# KiCad board panelized.kicad_pro.kicad_pcb (continued)
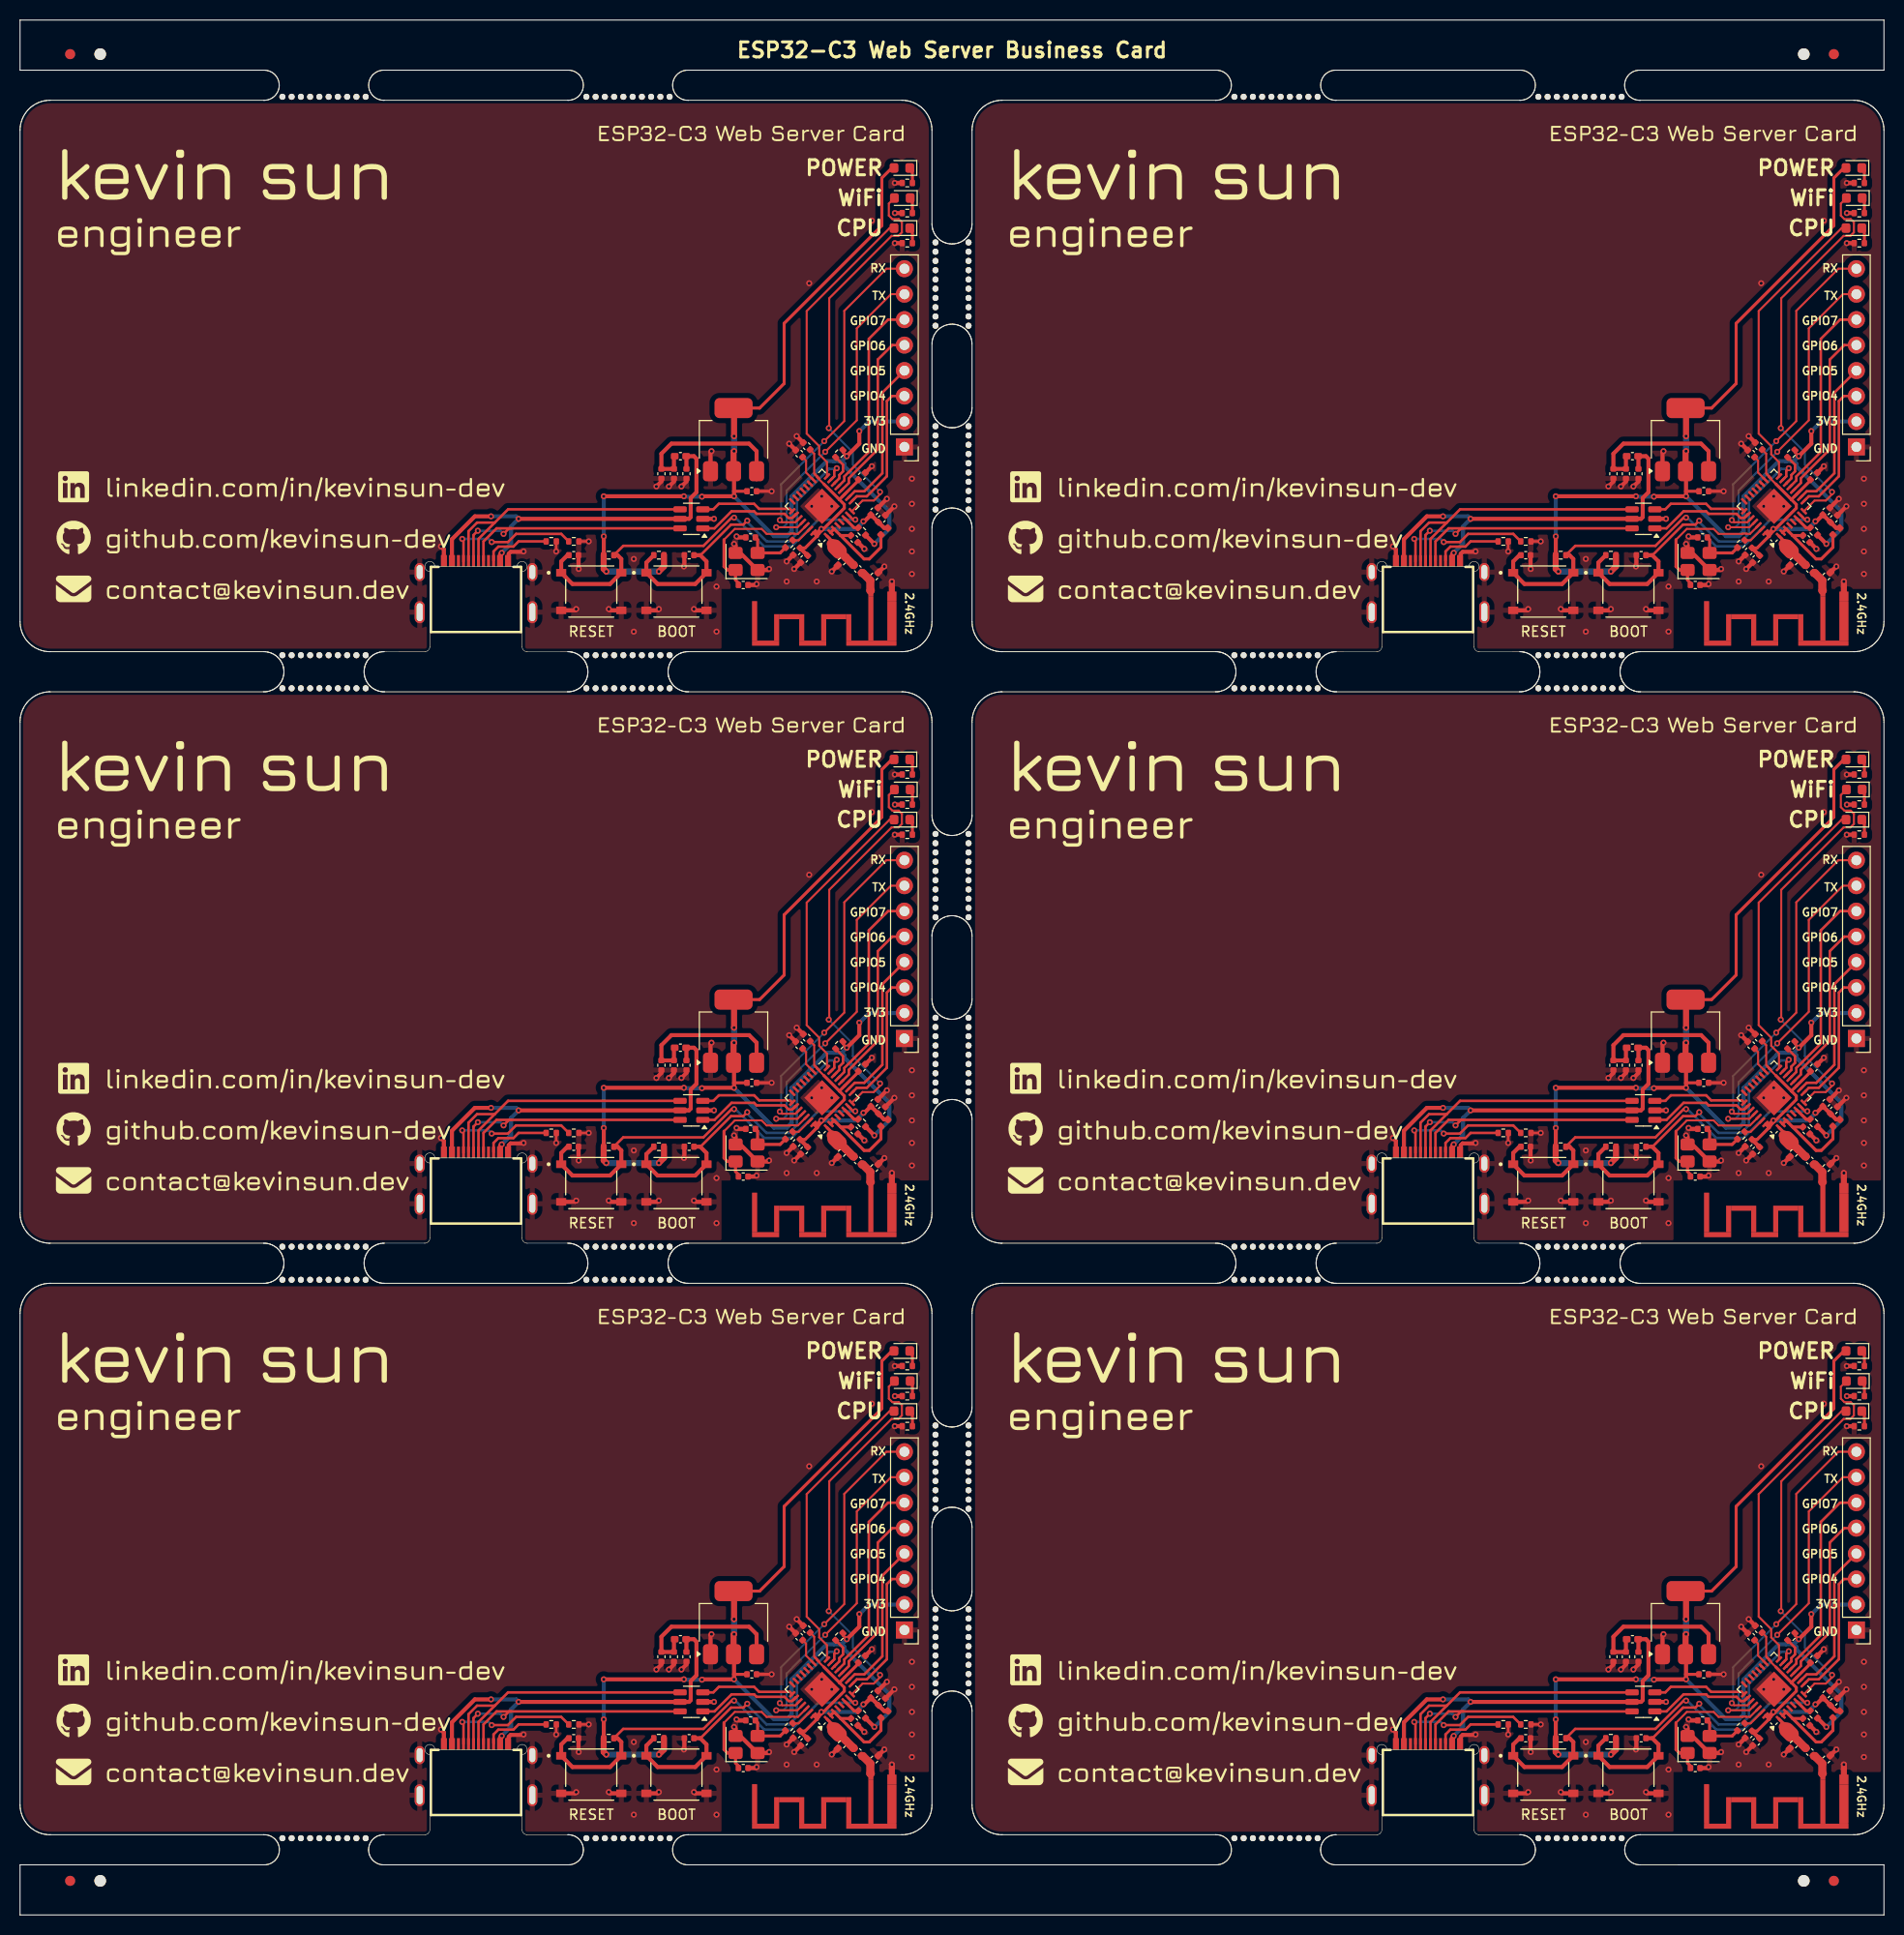
[diagram p0: board, top side]
## Routing (per net, layer and track width the routed paths; a pad name or vN(x,y) marks a point on that pad's centre or on a via; arc(x,y) is an arc through that point) (continued)
  Top w0.25: U3#4.4 48.7,81.2 47.38,79.88 ; 47.38,79.88 45.61,79.88 44.75,79.02 J1.B7 ; 47.38,79.88 45.75,78.25 J1.A7
Board_2-Net-(J1-DP1): length 29
  Top w0.25: J1.A6 45.25,78.64 v1(45.68,79.07) ; 49,79.3 48.8,79.3 v1(48.25,78.75) ; 49,79.3 47.55,79.3 46.25,78 J1.B6 ; 49,79.3 U3#4.6
  Bottom w0.25: v1(48.25,78.75) 47.93,79.07 v1(45.68,79.07)
Board_2-Net-(U4-VI): length 16.7
  Top w0.4: 73.5,84.21 73.54,84.25 ; 73.75,85.25 U4#5.3 73.5,87 72.75,87.75 65,87.75 64,86.75 C15#2.1 C14#6.1 65.25,86.42 L3#3.2
Board_2-unconnected-(U1-SPIHD-Pad19): length 0.1
  Top w0.2: U1.19 78.73,83.77
Board_3-+3.3V: length 26.4
  Top w0.2: C6#6.1 174.25,86.75 174.25,84.76 U1#2.17 174.54,84.4 175.22,83.72
  Top w0.3: 176.77,82.17 177.25,81.69 177.25,81.32 174.54,78.61 U1#2.32 ; 176.77,82.17 176.77,82.19 U1#2.11 178.66,84.08 C5#5.1 ; 176.77,82.17 175.22,83.72 ; C7#6.1 173.34,77.34 U1#2.32 ; U1#2.32 U1#2.31
  Top w0.4: v1(179.16,80) 179.25,80 C3.1 C2.1 181.23,79.34 L1#4.1 ; v1(174.96,79.24) 174.54,78.82 U1#2.32 ; C8#4.1 C7#6.1
  Bottom w0.4: v1(179.16,80) 179.05,79.9 179.05,79.87 178.42,79.24 v1(174.96,79.24)
Board_3-+3V3: length 109.2
  Top w0.25: v1(177.5,86.5) 177.11,86.89 R6#2.2
  Top w0.3: D1#6.2 182,115.25 181,114.25 181,109.5 171.25,99.75 171.25,93.75 168.8,91.3 U4#3.2 ; C16#6.1 166.25,83
  Top w0.4: U4#3.2 166.25,84.95 v1(166.25,82.5) 163.09,82.5 v1(163.05,82.46) ; v1(178.75,89) 178.75,87.75 v1(177.5,86.5) ; R7#4.2 v1(180.25,77.75) ; v1(161.25,82.5) v1(153.25,82.5) ; R3#5.1 153.25,76.64 v1(153.25,78.5)
  Top w0.6: U4#3.2 166.2,86.95 v1(166.25,87) ; v1(153.5,75) 153.24,75.26 R3#5.1 ; R4#4.1 159.26,75.51 v1(158.75,75) ; v1(166.25,88.5) 166.25,91.25 U4#3.2
  Bottom w0.25: 177.12,86.13 177.12,85.88
  Bottom w0.4: J2#4.2 179.73,89.96 178.77,89 v1(178.75,89) ; v1(177.5,86.5) 177.12,86.13 ; v1(161.25,82.5) 161.29,82.46 v1(163.05,82.46) ; v1(153.25,82.5) v1(153.25,78.5) ; v1(180.25,77.75) 181.75,79.25 181.75,81 177.25,85.5 177.25,85.75 177,86 176.79,86 176.79,86 176.21,86 176.21,86 175.5,86 172,82.5 172,79 171.53,78.53 170.22,78.53 v1(166.25,82.5)
  Bottom w0.6: v1(153.5,75) v1(158.75,75) ; v1(166.25,87) v1(166.25,88.5)
Board_3-/BOOTSEL: length 34.6
  Top w0.25: U1#2.15 176.25,84.5 176.25,85.06 v1(176.5,85.3) ; v1(167.57,80.07) 167.18,79.68 165.95,79.68 162.9,76.63 C18#6.1
  Top w0.4: R4#4.2 157.5,75.89 BOOT#5.1 158.62,73.75 162.38,73.75 BOOT#5.1 163.5,76 162.88,76.63 C18#6.1
  Bottom w0.25: v1(167.57,80.07) 167.57,79.94 169.5,78 171.74,78 172.53,78.79 172.53,82.03 175.73,85.24 176.43,85.24 v1(176.5,85.3)
Board_3-/CHIP_EN: length 40.2
  Top w0.25: U1#2.7 178.14,80.16 v1(178.35,80.16) ; v1(166.25,80.37) 166.01,80.37 163.19,77.56 155.19,77.56 R3#5.2
  Top w0.4: R3#5.2 154.62,76.63 155,76.25 RESET#6.1 153.88,73.75 150.12,73.75 RESET#6.1 149,76 149.62,76.63 C17#4.1
  Bottom w0.25: v1(178.35,80.16) 174.66,80.16 172,77.5 169.25,77.5 166.38,80.37 v1(166.25,80.37)
Board_3-/GP2: length 1.7
  Top w0.3: R7#4.1 178.24,79.36 U1#2.6
Board_3-/GP8: length 3.3
  Top w0.25: R6#2.1 177.13,85.65 177.13,84.99 176.76,84.62 176.76,84.3 U1#2.14 176.27,83.77
Board_3-/LED_A: length 39.8
  Top w0.2: D2#5.2 181.7,111.7 181.7,110.5 182.05,110.15 182.69,110.15 183,109.84 183,108.82 182.65,108.48 181.97,108.48 175.75,102.25 175.75,89.35 v1(175.7,89.3) ; U1#2.8 178.01,81.01 179.07,82.08 180.19,82.08 180.82,82.7 v1(180.82,82.94)
  Bottom w0.2: v1(180.82,82.94) 178.1,85.65 178.1,86.9 v1(175.7,89.3)
Board_3-/LED_B: length 29.5
  Top w0.2: U1#2.16 175.53,85.91 174.75,86.69 174.75,87.5 173.5,88.75 173.5,100.98 181.78,109.25 D3.2
Board_3-/LNA_IN: length 4
  Top w0.3: U1#2.1 176,78.06 176,77.75
  Top w0.8: L2#5.1 178.15,75.66 C12#2.1 176.8,77
  Top w1: 176.3,77.45 176,77.75
  Top w1.5: 176.3,77.45 176.75,77
Board_3-/MTCK: length 17.8
  Top w0.25: U1#2.12 177.71,83.83 177.71,84.3 180.6,87.19 180.6,96.14 182.04,97.58 J2#4.5
Board_3-/MTDI: length 15.6
  Top w0.25: J2#4.4 181.05,92.84 181.05,84.8 179.25,83 178.29,83 U1#2.10
Board_3-/MTDO: length 20.4
  Top w0.25: J2#4.6 181.62,100.12 179.7,98.2 179.7,86.93 177.26,84.48 177.26,84.09 U1#2.13
Board_3-/MTMS: length 14
  Top w0.25: U1#2.9 178.5,82.5 179.5,82.5 181.5,84.5 181.5,92 182,92.5 J2#4.3
Board_3-/U0RXD: length 33.7
  Top w0.2: U1#2.27 172.38,79.91 171.03,79.91 v1(170.82,80.13) ; J2#4.8 181.45,105.2 177.25,101 177.25,90 v1(175.25,88)
  Bottom w0.2: v1(175.25,88) 170.94,83.69 170.94,80 v1(170.82,80.13)
Board_3-/U0TXD: length 32.6
  Top w0.2: v1(170.46,79.41) 172.58,79.41 U1#2.28 ; J2#4.7 181.91,102.66 178.5,99.25 178.5,90.09 v1(175.35,86.94)
  Bottom w0.2: v1(170.46,79.41) 171.16,79.41 171.5,79.75 171.5,83.09 v1(175.35,86.94)
Board_3-/USB_DN: length 9.5
  Top w0.25: U3#5.3 164.19,81.2 164.74,81.75 168.25,81.75 168.75,81.25 171.82,81.25 U1#2.25
Board_3-/USB_DP: length 10.4
  Top w0.25: U1#2.26 172.38,80.69 172.03,80.34 171.71,80.34 171.29,80.75 168.5,80.75 168.25,81 166,81 164.3,79.3 U3#5.1
Board_3-/XTAL_N: length 14.8
  Top w0.2: U1#2.29 172.63,78.75 172.28,78.75 172.25,78.78 171.9,78.78 171.87,78.75 169.5,78.75 169,79.25 166.33,79.25 165.25,78.17
  Top w0.3: C9#2.1 166.69,73.86 166.4,74.15 Y1#2.1 165.6,75.15 165.25,75.5 165.25,78.17
Board_3-/XTAL_P: length 2.2
  Top w0.2: R5#5.1 172.7,78.11 U1#2.30
Board_3-GND: length 42
  Top w0.25: v1(148.5,77) 148.5,77.98 R1#2.1 ; v1(151.75,78) R2#2.2
  Top w0.3: C16#6.2 v1(170,83)
  Top w0.4: C18#6.2 161.29,75.54 v1(161.25,75.5) ; v1(161,83.48) 161.5,83.98 C13#6.2 ; C8#4.2 v1(172.25,75.25) ; v1(137,77.5) 137.3,77.2 J1#3.A1B12 ; C15.2 159,83.98 v1(158.5,83.48) ; BOOT#5.2 158.62,71.13 v1(158.75,71.25) ; C5#5.2 v1(180,85.5) ; U4#3.1 163.9,86.9 v1(164,87) ; v1(150.5,71.25) 150.38,71.13 RESET#6.2 ; C2.2 v1(182.25,81.5) ; R10#3.2 v1(182.29,107.75) ; v1(162.25,71.25) 162.38,71.13 BOOT#5.2 ; C4.2 v1(171.75,87.75) ; v1(150.75,75.25) 150.73,75.27 C17#4.2 ; U3#5.2 v1(164.25,80.25) ; C1#5.2 v1(179.25,77.25) ; v1(153.75,71.25) 153.88,71.13 RESET#6.2 ; R8.2 v1(182.29,113.75) ; C9#2.2 168.4,73.65 v1(168.5,73.75) ; C14#3.2 160.25,83.98 v1(159.75,83.48) ; C7#6.2 v1(171.5,76) ; v1(169.75,75.25) 169.65,75.15 Y1#2.2 168.57,75.15 166.87,76.85 Y1#2.4 166.4,77.6 v1(166.25,77.75) ; v1(145.25,77) 145.21,76.96 143.96,76.96 143.77,76.77 143.77,76.57 143.7,76.5 J1#3.B1A12 ; C12#2.2 v1(176,75) ; C10#2.2 166.6,78.4 v1(166.5,78.5) ; C3.2 v1(181.5,82.25) ; C6#6.2 v1(172.5,88.5) ; R9#3.2 v1(182.3,110.75) ; C11#6.2 v1(181.25,75.5)
  Top w0.6: v1(182,74) 2.4GHz#2.2
  vias: v1(156.25,76.25) v1(156.25,69) v1(164.5,73.5) v1(164.5,69) v1(171.5,74) v1(173.75,103.75) v1(174,81.5) v1(174.5,74) v1(175,82.5) v1(176,81.5) v1(180,110) v1(184,84.25) v1(184,81.75) v1(184,79.25) v1(184,77) v1(184,74.75)
Board_3-Net-(AE1-FEED): length 2.2
  Top w0.8: 179.9,73.1 179.85,73.1 C11#6.1 179.1,74.85 L2#5.2
Board_3-Net-(C1-Pad1): length 9.2
  Top w0.3: U1#2.2 U1#2.3 176.89,78.59 ; 176.89,78.59 179.22,76.25 179.75,76.25 180.91,77.41 L1#4.2 ; 176.89,78.59 C1#5.1
Board_3-Net-(C10-Pad1): length 4.7
  Top w0.3: R5#5.2 170.85,76.85 Y1#2.3 168.6,78.18 C10#2.1
Board_3-Net-(D1-K): length 1.6
  Top w0.3: D1#6.1 184.05,114.99 R8.1
Board_3-Net-(D2-K): length 1.6
  Top w0.3: D2#5.1 184.05,112.03 R9#3.1
Board_3-Net-(D3-K): length 1.6
  Top w0.3: R10#3.1 184.05,108.99 D3.1
Board_3-Net-(J1-CC1): length 13.6
  Top w0.25: v1(139.12,78.25) 139.25,78.13 J1#3.A5 ; v1(142.07,77.94) 143.68,77.94 144.5,78.75 149,78.75 R2#2.1
  Bottom w0.25: v1(142.07,77.94) 141.75,78.25 v1(139.12,78.25)
Board_3-Net-(J1-CC2): length 6.6
  Top w0.25: R1#2.2 144.75,78 144.23,77.48 142.73,77.48 142.25,77 J1#3.B5
Board_3-Net-(J1-DN1): length 29.5
  Top w0.25: J1#3.A7 140.75,78.25 142.38,79.88 ; U3#5.4 143.7,81.2 142.38,79.88 ; 142.38,79.88 140.61,79.88 139.75,79.02 J1#3.B7
Board_3-Net-(J1-DP1): length 29
  Top w0.25: 144,79.3 142.55,79.3 141.25,78 J1#3.B6 ; 144,79.3 U3#5.6 ; 144,79.3 143.8,79.3 v1(143.25,78.75) ; v1(140.68,79.07) 140.25,78.64 J1#3.A6
  Bottom w0.25: v1(143.25,78.75) 142.93,79.07 v1(140.68,79.07)
Board_3-Net-(U4-VI): length 16.7
  Top w0.4: L3#5.2 160.25,86.42 C14#3.1 C15.1 159,86.75 160,87.75 167.75,87.75 168.5,87 U4#3.3 168.75,85.25 ; 168.5,84.21 168.54,84.25
Board_3-unconnected-(U1-SPIHD-Pad19): length 0.1
  Top w0.2: U1#2.19 173.73,83.77
Board_4-+3.3V: length 26.4
  Top w0.2: 80.22,24.72 79.54,25.4 U1#3.17 79.25,25.76 79.25,27.75 C6.1
  Top w0.3: U1#3.32 79.54,19.61 82.25,22.32 82.25,22.69 81.77,23.17 ; U1#3.32 U1#3.31 ; U1#3.32 78.34,18.34 C7#2.1 ; 81.77,23.17 80.22,24.72 ; 81.77,23.17 81.77,23.19 U1#3.11 83.66,25.08 C5.1
  Top w0.4: U1#3.32 79.54,19.82 v1(79.96,20.24) ; C8.1 C7#2.1 ; v1(84.16,21) 84.25,21 C3#3.1 C2#4.1 86.23,20.34 L1#5.1
  Bottom w0.4: v1(79.96,20.24) 83.42,20.24 84.05,20.87 84.05,20.9 v1(84.16,21)
Board_4-+3V3: length 109.2
  Top w0.25: R6.2 82.11,27.89 v1(82.5,27.5)
  Top w0.3: D1#5.2 87,56.25 86,55.25 86,50.5 76.25,40.75 76.25,34.75 73.8,32.3 U4.2 ; C16#3.1 71.25,24
  Top w0.4: R3#4.1 58.25,17.64 v1(58.25,19.5) ; v1(82.5,27.5) 83.75,28.75 v1(83.75,30) ; v1(68.05,23.46) 68.09,23.5 v1(71.25,23.5) 71.25,25.95 U4.2 ; R7.2 v1(85.25,18.75) ; v1(66.25,23.5) v1(58.25,23.5)
  Top w0.6: v1(71.25,29.5) 71.25,32.25 U4.2 ; v1(63.75,16) 64.26,16.51 R4.1 ; v1(58.5,16) 58.24,16.26 R3#4.1 ; U4.2 71.2,27.95 v1(71.25,28)
  Bottom w0.25: 82.12,27.13 82.12,26.88
  Bottom w0.4: v1(66.25,23.5) 66.29,23.46 v1(68.05,23.46) ; v1(58.25,23.5) v1(58.25,19.5) ; v1(85.25,18.75) 86.75,20.25 86.75,22 82.25,26.5 82.25,26.75 82,27 81.79,27 81.79,27 81.21,27 81.21,27 80.5,27 77,23.5 77,20 76.53,19.53 75.22,19.53 v1(71.25,23.5) ; J2#3.2 84.73,30.96 83.77,30 v1(83.75,30) ; v1(82.5,27.5) 82.12,27.13
  Bottom w0.6: v1(58.5,16) v1(63.75,16) ; v1(71.25,28) v1(71.25,29.5)
Board_4-/BOOTSEL: length 34.6
  Top w0.25: v1(81.5,26.3) 81.25,26.06 81.25,25.5 U1#3.15 ; v1(72.57,21.07) 72.18,20.68 70.95,20.68 67.9,17.63 C18.1
  Top w0.4: R4.2 62.5,16.89 BOOT#2.1 63.62,14.75 67.38,14.75 BOOT#2.1 68.5,17 67.88,17.63 C18.1
  Bottom w0.25: v1(72.57,21.07) 72.57,20.94 74.5,19 76.74,19 77.53,19.79 77.53,23.03 80.73,26.24 81.43,26.24 v1(81.5,26.3)
Board_4-/CHIP_EN: length 40.2
  Top w0.25: v1(83.35,21.16) 83.14,21.16 U1#3.7 ; R3#4.2 60.19,18.56 68.19,18.56 71.01,21.37 v1(71.25,21.37)
  Top w0.4: R3#4.2 59.62,17.63 60,17.25 RESET.1 58.88,14.75 55.12,14.75 RESET.1 54,17 54.62,17.63 C17.1
  Bottom w0.25: v1(83.35,21.16) 79.66,21.16 77,18.5 74.25,18.5 71.38,21.37 v1(71.25,21.37)
Board_4-/GP2: length 1.7
  Top w0.3: U1#3.6 83.24,20.36 R7.1
Board_4-/GP8: length 3.3
  Top w0.25: 81.27,24.77 U1#3.14 81.76,25.3 81.76,25.62 82.13,25.99 82.13,26.65 R6.1
Board_4-/LED_A: length 39.8
  Top w0.2: U1#3.8 83.01,22.01 84.07,23.08 85.19,23.08 85.82,23.7 v1(85.82,23.94) ; D2#3.2 86.7,52.7 86.7,51.5 87.05,51.15 87.69,51.15 88,50.84 88,49.82 87.65,49.48 86.97,49.48 80.75,43.25 80.75,30.35 v1(80.7,30.3)
  Bottom w0.2: v1(80.7,30.3) 83.1,27.9 83.1,26.65 v1(85.82,23.94)
Board_4-/LED_B: length 29.5
  Top w0.2: D3#2.2 86.78,50.25 78.5,41.98 78.5,29.75 79.75,28.5 79.75,27.69 80.53,26.91 U1#3.16
Board_4-/LNA_IN: length 4
  Top w0.3: U1#3.1 81,19.06 81,18.75
  Top w0.8: 81.8,18 C12#5.1 83.15,16.66 L2#2.1
  Top w1: 81.3,18.45 81,18.75
  Top w1.5: 81.3,18.45 81.75,18
Board_4-/MTCK: length 17.8
  Top w0.25: U1#3.12 82.71,24.83 82.71,25.3 85.6,28.19 85.6,37.14 87.04,38.58 J2#3.5
Board_4-/MTDI: length 15.6
  Top w0.25: J2#3.4 86.05,33.84 86.05,25.8 84.25,24 83.29,24 U1#3.10
Board_4-/MTDO: length 20.4
  Top w0.25: J2#3.6 86.62,41.12 84.7,39.2 84.7,27.93 82.26,25.48 82.26,25.09 U1#3.13
Board_4-/MTMS: length 14
  Top w0.25: U1#3.9 83.5,23.5 84.5,23.5 86.5,25.5 86.5,33 87,33.5 J2#3.3
Board_4-/U0RXD: length 33.7
  Top w0.2: U1#3.27 77.38,20.91 76.03,20.91 v1(75.82,21.13) ; v1(80.25,29) 82.25,31 82.25,42 86.45,46.2 J2#3.8
  Bottom w0.2: v1(75.82,21.13) 75.94,21 75.94,24.69 v1(80.25,29)
Board_4-/U0TXD: length 32.6
  Top w0.2: J2#3.7 86.91,43.66 83.5,40.25 83.5,31.09 v1(80.35,27.94) ; v1(75.46,20.41) 77.58,20.41 U1#3.28
  Bottom w0.2: v1(80.35,27.94) 76.5,24.09 76.5,20.75 76.16,20.41 v1(75.46,20.41)
Board_4-/USB_DN: length 9.5
  Top w0.25: U3#2.3 69.19,22.2 69.74,22.75 73.25,22.75 73.75,22.25 76.82,22.25 U1#3.25
Board_4-/USB_DP: length 10.4
  Top w0.25: U3#2.1 69.3,20.3 71,22 73.25,22 73.5,21.75 76.29,21.75 76.71,21.34 77.03,21.34 77.38,21.69 U1#3.26
Board_4-/XTAL_N: length 14.8
  Top w0.2: U1#3.29 77.63,19.75 77.28,19.75 77.25,19.78 76.9,19.78 76.87,19.75 74.5,19.75 74,20.25 71.33,20.25 70.25,19.17
  Top w0.3: C9#5.1 71.69,14.86 71.4,15.15 Y1.1 70.6,16.15 70.25,16.5 70.25,19.17
Board_4-/XTAL_P: length 2.2
  Top w0.2: R5#6.1 77.7,19.11 U1#3.30
Board_4-GND: length 42
  Top w0.25: v1(56.75,19) R2#3.2 ; R1#4.1 53.5,18.98 v1(53.5,18)
  Top w0.3: C16#3.2 v1(75,24)
  Top w0.4: C2#4.2 v1(87.25,22.5) ; C3#3.2 v1(86.5,23.25) ; J1#2.A1B12 42.3,18.2 v1(42,18.5) ; v1(69,28) 68.9,27.9 U4.1 ; v1(71.25,18.75) 71.4,18.6 Y1.4 71.87,17.85 73.57,16.15 Y1.2 74.65,16.15 v1(74.75,16.25) ; C7#2.2 v1(76.5,17) ; v1(63.5,24.48) 64,24.98 C15#6.2 ; J1#2.B1A12 48.7,17.5 48.77,17.57 48.77,17.77 48.96,17.96 50.21,17.96 v1(50.25,18) ; C1#3.2 v1(84.25,18.25) ; v1(63.75,12.25) 63.62,12.13 BOOT#2.2 ; v1(67.25,12.25) 67.38,12.13 BOOT#2.2 ; C11.2 v1(86.25,16.5) ; R9.2 v1(87.3,51.75) ; RESET.2 55.38,12.13 v1(55.5,12.25) ; C8.2 v1(77.25,16.25) ; C13#5.2 66.5,24.98 v1(66,24.48) ; v1(55.75,16.25) 55.73,16.27 C17.2 ; v1(58.75,12.25) 58.88,12.13 RESET.2 ; U3#2.2 v1(69.25,21.25) ; C6.2 v1(77.5,29.5) ; v1(73.5,14.75) 73.4,14.65 C9#5.2 ; C18.2 66.29,16.54 v1(66.25,16.5) ; C12#5.2 v1(81,16) ; C5.2 v1(85,26.5) ; R10#4.2 v1(87.29,48.75) ; C4#4.2 v1(76.75,28.75) ; R8#6.2 v1(87.29,54.75) ; C10#4.2 71.6,19.4 v1(71.5,19.5) ; C14#5.2 65.25,24.98 v1(64.75,24.48)
  Top w0.6: v1(87,15) 2.4GHz#5.2
  vias: v1(61.25,17.25) v1(61.25,10) v1(69.5,14.5) v1(69.5,10) v1(76.5,15) v1(78.75,44.75) v1(79,22.5) v1(79.5,15) v1(80,23.5) v1(81,22.5) v1(85,51) v1(89,25.25) v1(89,22.75) v1(89,20.25) v1(89,18) v1(89,15.75)
Board_4-Net-(AE1-FEED): length 2.2
  Top w0.8: 84.9,14.1 84.85,14.1 C11.1 84.1,15.85 L2#2.2
Board_4-Net-(C1-Pad1): length 9.2
  Top w0.3: 81.89,19.59 C1#3.1 ; 81.89,19.59 84.22,17.25 84.75,17.25 85.91,18.41 L1#5.2 ; 81.89,19.59 U1#3.3 U1#3.2
Board_4-Net-(C10-Pad1): length 4.7
  Top w0.3: R5#6.2 75.85,17.85 Y1.3 73.6,19.18 C10#4.1
Board_4-Net-(D1-K): length 1.6
  Top w0.3: D1#5.1 89.05,55.99 R8#6.1
Board_4-Net-(D2-K): length 1.6
  Top w0.3: D2#3.1 89.05,53.03 R9.1
Board_4-Net-(D3-K): length 1.6
  Top w0.3: R10#4.1 89.05,49.99 D3#2.1
Board_4-Net-(J1-CC1): length 13.6
  Top w0.25: v1(44.12,19.25) 44.25,19.13 J1#2.A5 ; R2#3.1 54,19.75 49.5,19.75 48.68,18.94 v1(47.07,18.94)
  Bottom w0.25: v1(47.07,18.94) 46.75,19.25 v1(44.12,19.25)
Board_4-Net-(J1-CC2): length 6.6
  Top w0.25: R1#4.2 49.75,19 49.23,18.48 47.73,18.48 47.25,18 J1#2.B5
Board_4-Net-(J1-DN1): length 29.5
  Top w0.25: 47.38,20.88 48.7,22.2 U3#2.4 ; 47.38,20.88 45.75,19.25 J1#2.A7 ; 47.38,20.88 45.61,20.88 44.75,20.02 J1#2.B7
Board_4-Net-(J1-DP1): length 29
  Top w0.25: 49,20.3 47.55,20.3 46.25,19 J1#2.B6 ; 49,20.3 U3#2.6 ; 49,20.3 48.8,20.3 v1(48.25,19.75) ; v1(45.68,20.07) 45.25,19.64 J1#2.A6
  Bottom w0.25: v1(45.68,20.07) 47.93,20.07 v1(48.25,19.75)
Board_4-Net-(U4-VI): length 16.7
  Top w0.4: 73.5,25.21 73.54,25.25 ; L3#4.2 65.25,27.42 C14#5.1 C15#6.1 64,27.75 65,28.75 72.75,28.75 73.5,28 U4.3 73.75,26.25
Board_4-unconnected-(U1-SPIHD-Pad19): length 0.1
  Top w0.2: U1#3.19 78.73,24.77
Board_5-+3.3V: length 26.4
  Top w0.2: 175.22,24.72 174.54,25.4 U1#4.17 174.25,25.76 174.25,27.75 C6#2.1
  Top w0.3: U1#4.32 174.54,19.61 177.25,22.32 177.25,22.69 176.77,23.17 ; U1#4.32 173.34,18.34 C7#4.1 ; U1#4.32 U1#4.31 ; 176.77,23.17 176.77,23.19 U1#4.11 178.66,25.08 C5#3.1 ; 176.77,23.17 175.22,24.72
  Top w0.4: L1#6.1 181.23,20.34 C2#2.1 C3#6.1 179.25,21 v1(179.16,21) ; U1#4.32 174.54,19.82 v1(174.96,20.24) ; C8#5.1 C7#4.1
  Bottom w0.4: v1(174.96,20.24) 178.42,20.24 179.05,20.87 179.05,20.9 v1(179.16,21)
Board_5-+3V3: length 109.2
  Top w0.25: v1(177.5,27.5) 177.11,27.89 R6#5.2
  Top w0.3: C16#5.1 166.25,24 ; D1#4.2 182,56.25 181,55.25 181,50.5 171.25,40.75 171.25,34.75 168.8,32.3 U4#4.2
  Top w0.4: R7#2.2 v1(180.25,18.75) ; v1(161.25,23.5) v1(153.25,23.5) ; v1(153.25,19.5) 153.25,17.64 R3#6.1 ; U4#4.2 166.25,25.95 v1(166.25,23.5) 163.09,23.5 v1(163.05,23.46) ; v1(177.5,27.5) 178.75,28.75 v1(178.75,30)
  Top w0.6: U4#4.2 166.2,27.95 v1(166.25,28) ; R3#6.1 153.24,16.26 v1(153.5,16) ; U4#4.2 166.25,32.25 v1(166.25,29.5) ; R4#6.1 159.26,16.51 v1(158.75,16)
  Bottom w0.25: 177.12,27.13 177.12,26.88
  Bottom w0.4: v1(166.25,23.5) 170.22,19.53 171.53,19.53 172,20 172,23.5 175.5,27 176.21,27 176.21,27 176.79,27 176.79,27 177,27 177.25,26.75 177.25,26.5 181.75,22 181.75,20.25 v1(180.25,18.75) ; v1(163.05,23.46) 161.29,23.46 v1(161.25,23.5) ; v1(178.75,30) 178.77,30 179.73,30.96 J2#6.2 ; v1(177.5,27.5) 177.12,27.13 ; v1(153.25,23.5) v1(153.25,19.5)
  Bottom w0.6: v1(166.25,28) v1(166.25,29.5) ; v1(153.5,16) v1(158.75,16)
Board_5-/BOOTSEL: length 34.6
  Top w0.25: v1(167.57,21.07) 167.18,20.68 165.95,20.68 162.9,17.63 C18#4.1 ; v1(176.5,26.3) 176.25,26.06 176.25,25.5 U1#4.15
  Top w0.4: C18#4.1 162.88,17.63 163.5,17 BOOT#6.1 162.38,14.75 158.62,14.75 BOOT#6.1 157.5,16.89 R4#6.2
  Bottom w0.25: v1(167.57,21.07) 167.57,20.94 169.5,19 171.74,19 172.53,19.79 172.53,23.03 175.73,26.24 176.43,26.24 v1(176.5,26.3)
Board_5-/CHIP_EN: length 40.2
  Top w0.25: R3#6.2 155.19,18.56 163.19,18.56 166.01,21.37 v1(166.25,21.37) ; v1(178.35,21.16) 178.14,21.16 U1#4.7
  Top w0.4: R3#6.2 154.62,17.63 155,17.25 RESET#2.1 153.88,14.75 150.12,14.75 RESET#2.1 149,17 149.62,17.63 C17#3.1
  Bottom w0.25: v1(166.25,21.37) 166.38,21.37 169.25,18.5 172,18.5 174.66,21.16 v1(178.35,21.16)
Board_5-/GP2: length 1.7
  Top w0.3: U1#4.6 178.24,20.36 R7#2.1
Board_5-/GP8: length 3.3
  Top w0.25: 176.27,24.77 U1#4.14 176.76,25.3 176.76,25.62 177.13,25.99 177.13,26.65 R6#5.1
Board_5-/LED_A: length 39.8
  Top w0.2: U1#4.8 178.01,22.01 179.07,23.08 180.19,23.08 180.82,23.7 v1(180.82,23.94) ; v1(175.7,30.3) 175.75,30.35 175.75,43.25 181.97,49.48 182.65,49.48 183,49.82 183,50.84 182.69,51.15 182.05,51.15 181.7,51.5 181.7,52.7 D2#2.2
  Bottom w0.2: v1(175.7,30.3) 178.1,27.9 178.1,26.65 v1(180.82,23.94)
Board_5-/LED_B: length 29.5
  Top w0.2: D3#6.2 181.78,50.25 173.5,41.98 173.5,29.75 174.75,28.5 174.75,27.69 175.53,26.91 U1#4.16
Board_5-/LNA_IN: length 4
  Top w0.3: 176,18.75 176,19.06 U1#4.1
  Top w0.8: L2#6.1 178.15,16.66 C12.1 176.8,18
  Top w1: 176.3,18.45 176,18.75
  Top w1.5: 176.3,18.45 176.75,18
Board_5-/MTCK: length 17.8
  Top w0.25: J2#6.5 182.04,38.58 180.6,37.14 180.6,28.19 177.71,25.3 177.71,24.83 U1#4.12
Board_5-/MTDI: length 15.6
  Top w0.25: J2#6.4 181.05,33.84 181.05,25.8 179.25,24 178.29,24 U1#4.10
Board_5-/MTDO: length 20.4
  Top w0.25: J2#6.6 181.62,41.12 179.7,39.2 179.7,27.93 177.26,25.48 177.26,25.09 U1#4.13
Board_5-/MTMS: length 14
  Top w0.25: U1#4.9 178.5,23.5 179.5,23.5 181.5,25.5 181.5,33 182,33.5 J2#6.3
Board_5-/U0RXD: length 33.7
  Top w0.2: J2#6.8 181.45,46.2 177.25,42 177.25,31 v1(175.25,29) ; v1(170.82,21.13) 171.03,20.91 172.38,20.91 U1#4.27
  Bottom w0.2: v1(170.82,21.13) 170.94,21 170.94,24.69 v1(175.25,29)
Board_5-/U0TXD: length 32.6
  Top w0.2: v1(175.35,27.94) 178.5,31.09 178.5,40.25 181.91,43.66 J2#6.7 ; U1#4.28 172.58,20.41 v1(170.46,20.41)
  Bottom w0.2: v1(175.35,27.94) 171.5,24.09 171.5,20.75 171.16,20.41 v1(170.46,20.41)
Board_5-/USB_DN: length 9.5
  Top w0.25: U3#6.3 164.19,22.2 164.74,22.75 168.25,22.75 168.75,22.25 171.82,22.25 U1#4.25
Board_5-/USB_DP: length 10.4
  Top w0.25: U3#6.1 164.3,20.3 166,22 168.25,22 168.5,21.75 171.29,21.75 171.71,21.34 172.03,21.34 172.38,21.69 U1#4.26
Board_5-/XTAL_N: length 14.8
  Top w0.2: U1#4.29 172.63,19.75 172.28,19.75 172.25,19.78 171.9,19.78 171.87,19.75 169.5,19.75 169,20.25 166.33,20.25 165.25,19.17
  Top w0.3: 165.25,19.17 165.25,16.5 165.6,16.15 Y1#4.1 166.4,15.15 166.69,14.86 C9.1
Board_5-/XTAL_P: length 2.2
  Top w0.2: R5#2.1 172.7,19.11 U1#4.30
Board_5-GND: length 42
  Top w0.25: R1#5.1 148.5,18.98 v1(148.5,18) ; v1(151.75,19) R2#4.2
  Top w0.3: C16#5.2 v1(170,24)
  Top w0.4: v1(158.75,12.25) 158.62,12.13 BOOT#6.2 ; v1(166.5,19.5) 166.6,19.4 C10#5.2 ; R10.2 v1(182.29,48.75) ; v1(162.25,12.25) 162.38,12.13 BOOT#6.2 ; C14#2.2 160.25,24.98 v1(159.75,24.48) ; v1(153.75,12.25) 153.88,12.13 RESET#2.2 ; C18#4.2 161.29,16.54 v1(161.25,16.5) ; v1(169.75,16.25) 169.65,16.15 Y1#4.2 168.57,16.15 166.87,17.85 Y1#4.4 166.4,18.6 v1(166.25,18.75) ; R8#5.2 v1(182.29,54.75) ; v1(150.5,12.25) 150.38,12.13 RESET#2.2 ; C2#2.2 v1(182.25,22.5) ; C6#2.2 v1(172.5,29.5) ; v1(150.75,16.25) 150.73,16.27 C17#3.2 ; C4#3.2 v1(171.75,28.75) ; C15#5.2 159,24.98 v1(158.5,24.48) ; v1(164,28) 163.9,27.9 U4#4.1 ; v1(137,18.5) 137.3,18.2 J1#5.A1B12 ; v1(145.25,18) 145.21,17.96 143.96,17.96 143.77,17.77 143.77,17.57 143.7,17.5 J1#5.B1A12 ; C12.2 v1(176,16) ; C7#4.2 v1(171.5,17) ; C8#5.2 v1(172.25,16.25) ; R9#5.2 v1(182.3,51.75) ; C5#3.2 v1(180,26.5) ; U3#6.2 v1(164.25,21.25) ; C13#2.2 161.5,24.98 v1(161,24.48) ; C1#6.2 v1(179.25,18.25) ; C9.2 168.4,14.65 v1(168.5,14.75) ; C11#2.2 v1(181.25,16.5) ; C3#6.2 v1(181.5,23.25)
  Top w0.6: 2.4GHz#6.2 v1(182,15)
  vias: v1(156.25,17.25) v1(156.25,10) v1(164.5,14.5) v1(164.5,10) v1(171.5,15) v1(173.75,44.75) v1(174,22.5) v1(174.5,15) v1(175,23.5) v1(176,22.5) v1(180,51) v1(184,25.25) v1(184,22.75) v1(184,20.25) v1(184,18) v1(184,15.75)
Board_5-Net-(AE1-FEED): length 2.2
  Top w0.8: L2#6.2 179.1,15.85 C11#2.1 179.85,14.1 179.9,14.1
Board_5-Net-(C1-Pad1): length 9.2
  Top w0.3: 176.89,19.59 179.22,17.25 179.75,17.25 180.91,18.41 L1#6.2 ; 176.89,19.59 U1#4.3 U1#4.2 ; 176.89,19.59 C1#6.1
Board_5-Net-(C10-Pad1): length 4.7
  Top w0.3: R5#2.2 170.85,17.85 Y1#4.3 168.6,19.18 C10#5.1
Board_5-Net-(D1-K): length 1.6
  Top w0.3: D1#4.1 184.05,55.99 R8#5.1
Board_5-Net-(D2-K): length 1.6
  Top w0.3: R9#5.1 184.05,53.03 D2#2.1
Board_5-Net-(D3-K): length 1.6
  Top w0.3: D3#6.1 184.05,49.99 R10.1
Board_5-Net-(J1-CC1): length 13.6
  Top w0.25: J1#5.A5 139.25,19.13 v1(139.12,19.25) ; v1(142.07,18.94) 143.68,18.94 144.5,19.75 149,19.75 R2#4.1
  Bottom w0.25: v1(139.12,19.25) 141.75,19.25 v1(142.07,18.94)
Board_5-Net-(J1-CC2): length 6.6
  Top w0.25: R1#5.2 144.75,19 144.23,18.48 142.73,18.48 142.25,18 J1#5.B5
Board_5-Net-(J1-DN1): length 29.5
  Top w0.25: 142.38,20.88 140.61,20.88 139.75,20.02 J1#5.B7 ; 142.38,20.88 143.7,22.2 U3#6.4 ; 142.38,20.88 140.75,19.25 J1#5.A7
Board_5-Net-(J1-DP1): length 29
  Top w0.25: J1#5.A6 140.25,19.64 v1(140.68,20.07) ; 144,20.3 143.8,20.3 v1(143.25,19.75) ; 144,20.3 142.55,20.3 141.25,19 J1#5.B6 ; 144,20.3 U3#6.6
  Bottom w0.25: v1(140.68,20.07) 142.93,20.07 v1(143.25,19.75)
Board_5-Net-(U4-VI): length 16.7
  Top w0.4: 168.5,25.21 168.54,25.25 ; 168.75,26.25 U4#4.3 168.5,28 167.75,28.75 160,28.75 159,27.75 C15#5.1 C14#2.1 160.25,27.42 L3.2
Board_5-unconnected-(U1-SPIHD-Pad19): length 0.1
  Top w0.2: U1#4.19 173.73,24.77

## Copper pours and planes (outline as drawn; the poured copper is in the pictures)
Board_0-GND on Top, Bottom: -0.5,181.5 91.5,181.5 91.5,132.25 70,132.25 70,125.25 -0.5,125.25
Board_1-GND on Top, Bottom: 94.5,181.5 186.5,181.5 186.5,132.25 165,132.25 165,125.25 94.5,125.25
Board_2-GND on Top, Bottom: -0.5,122.5 91.5,122.5 91.5,73.25 70,73.25 70,66.25 -0.5,66.25
Board_3-GND on Top, Bottom: 94.5,122.5 186.5,122.5 186.5,73.25 165,73.25 165,66.25 94.5,66.25
Board_4-GND on Top, Bottom: -0.5,63.5 91.5,63.5 91.5,14.25 70,14.25 70,7.25 -0.5,7.25
Board_5-GND on Top, Bottom: 94.5,63.5 186.5,63.5 186.5,14.25 165,14.25 165,7.25 94.5,7.25

## Text on the board
F.Silkscreen: RX | TX | GPIO7 | GPIO6 | GPIO5 | GPIO4 | 3V3 | GND | ESP32-C3 Web Server Business Card | POWER | WiFi | CPU
